# Altium PCB 10515.0462_全联供主板(2拼版)_V1.0.PcbDoc (part 10 of 18) (continued)
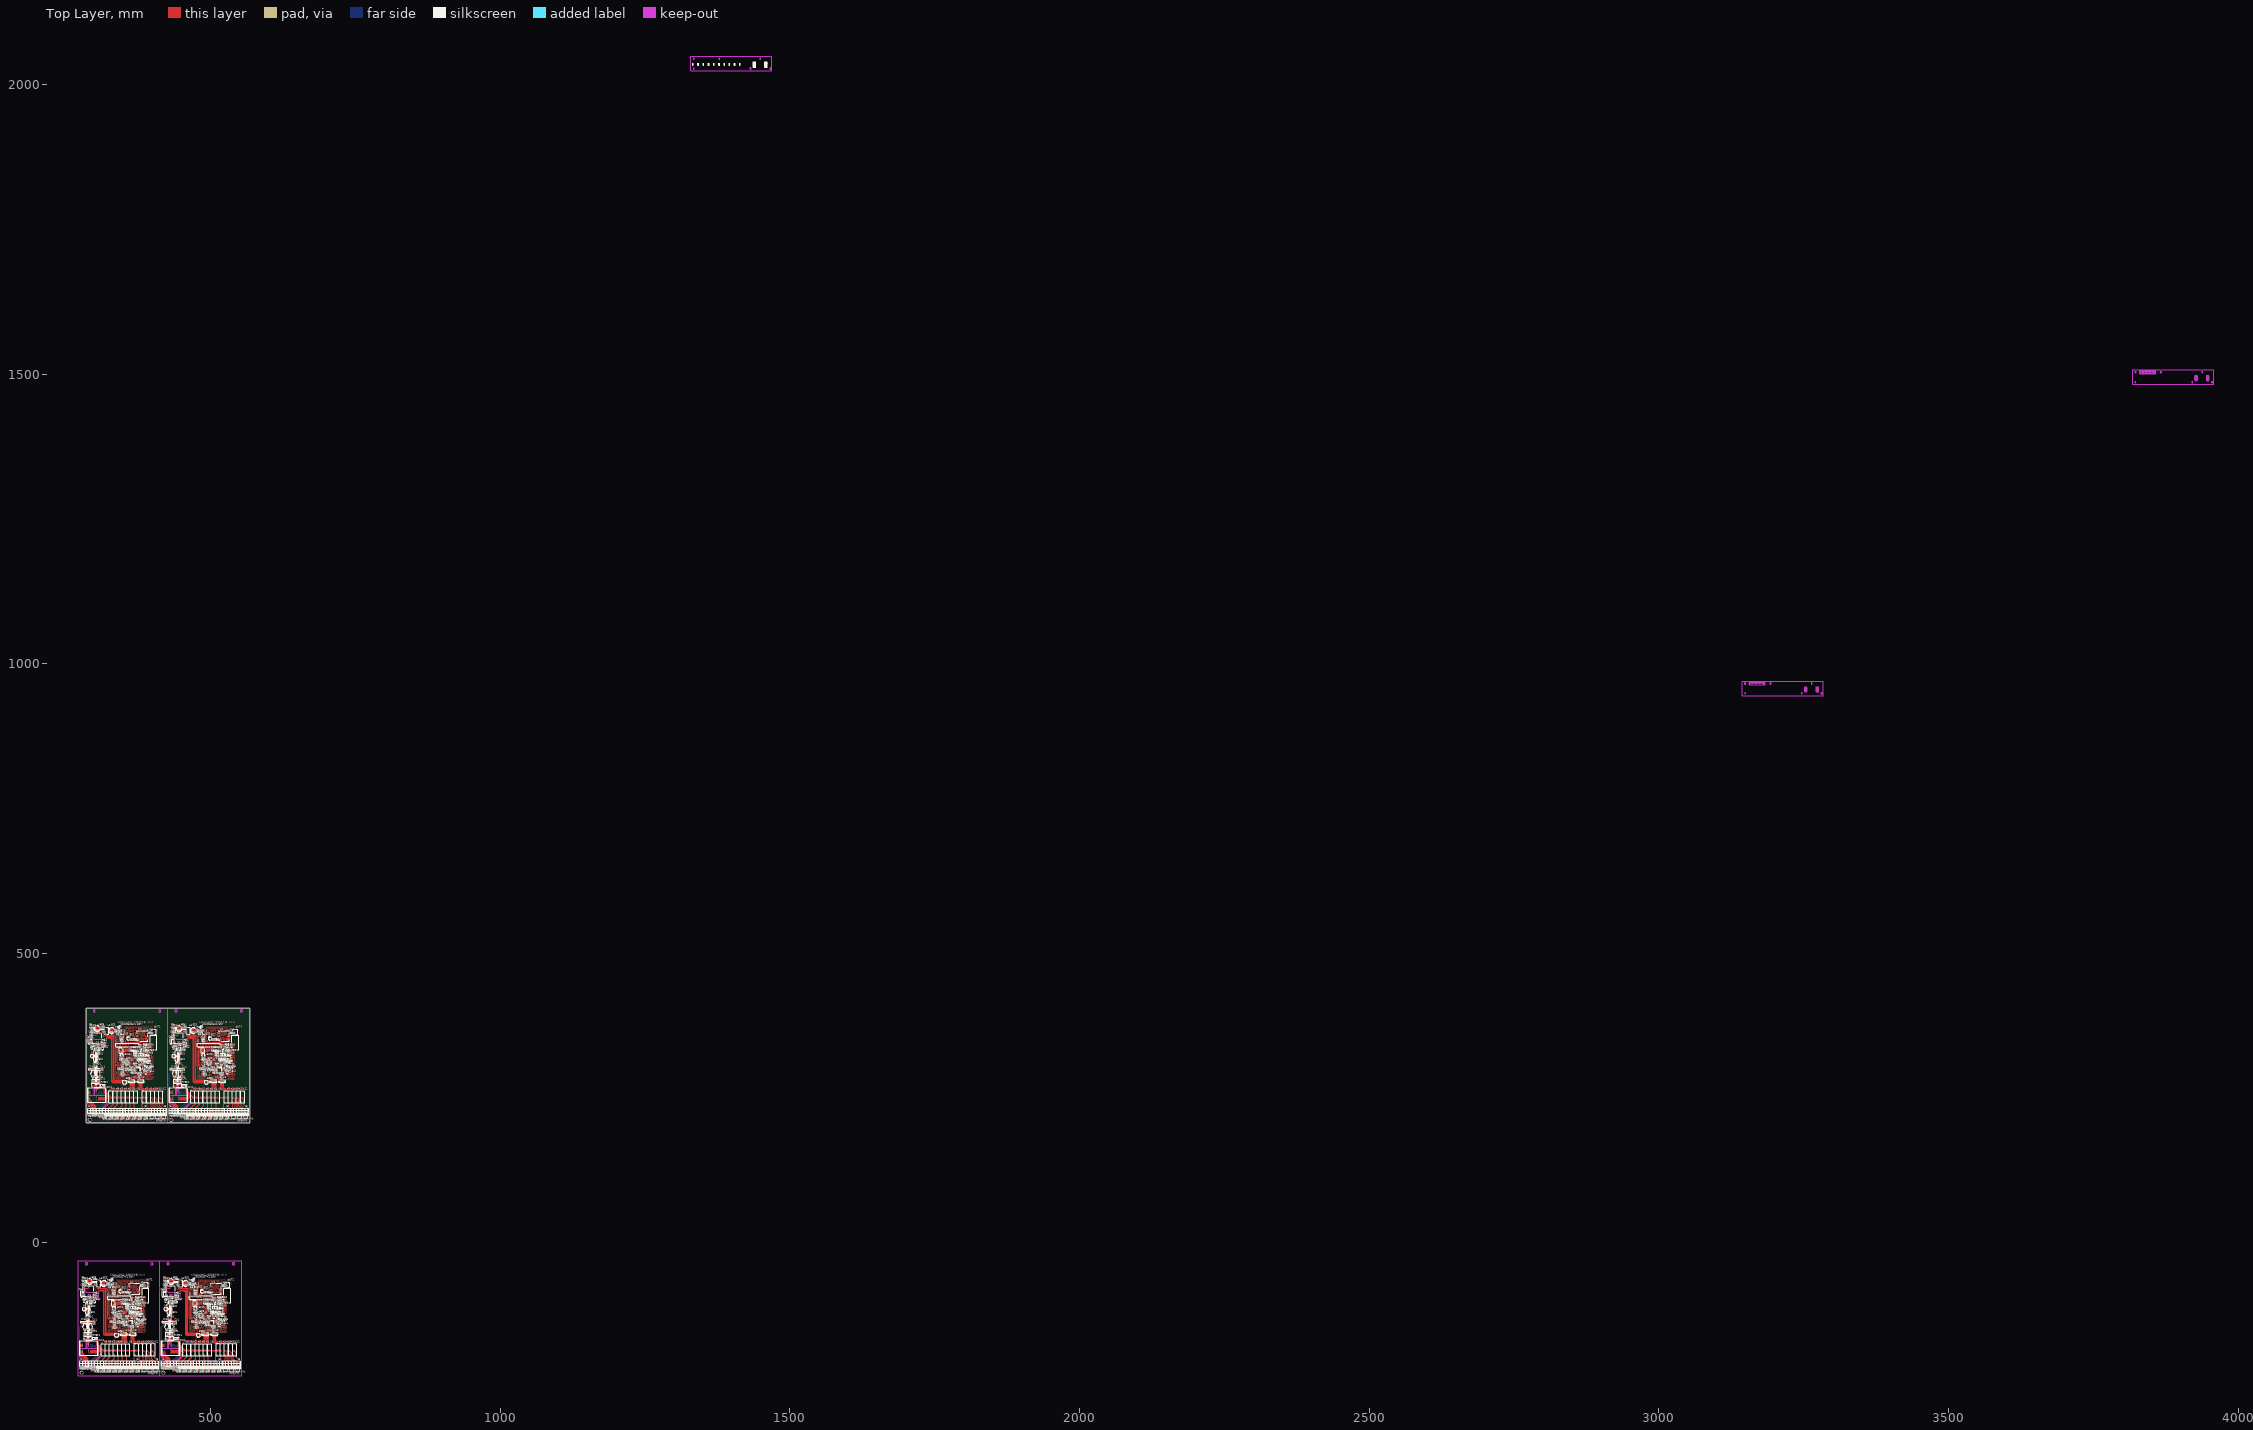
[diagram p0: Top Layer view]
## Nets (pads, with @x,y where several pads share a name; then routed paths per layer and width w, separated by ;. In a path a pad name is that pad's centre, name@x,y a point inside that pad or via, vN(x,y) a via of type N, cw(c..) or ccw(c..) an arc to the next point about the centre after c; other vN are vias at no path point) (continued)
cw(c472.426,367.481) v1@473.1,367.481 ; 473.076,-107.131 473.076,-100.481 473.076,-95.921 ; 473.076,-105.108 ccw(c475.399,-105.108) 473.756,-106.75 ; 473.076,-104.792 473.847,-105.563 473.847,-111.278 473.226,-111.899 ; v1@473.143,367.464 cw(c474.105,366.501) 474.105,367.862 ; v1@473.143,367.499 ccw(c473.581,367.937) 473.581,367.318 ; v1@473.145,367.467 cw(c473.76,367.041) v1(473.76,367.789) 473.072,367.789 470.712,370.148 ; 473.146,367.862 cw(c473.146,365.942) v1@474.504,367.3 ; 473.201,-95.795 473.201,-93.255 472.704,-93.752 ; 473.218,-123.451 cw(c472.313,-124.356) 473.593,-124.356 ; 473.226,-107.281 473.226,-111.899 ; 473.228,-123.459 cw(c472.713,-124.173) 473.593,-124.173 ; 473.238,-86.939 473.238,-88.849 473.238,-90.806 472.577,-91.466 471.18,-91.466 470.661,-91.985 470.661,-93.255 470.661,-95.795 ; 473.344,-123.437 ccw(c473.663,-123.64) 473.396,-123.908 ; 473.37,-107.811 cw(c472.22,-108.962) 473.847,-108.962 ; 473.37,-106.75 ccw(c472.22,-105.6) 473.847,-105.6 ; 473.429,-130.582 cw(c473.429,-131.948) 474.395,-130.982 ; 473.487,-95.465 cw(c474.969,-93.752) 472.704,-93.752 ; 473.593,-125.629 473.593,-125.248 ; v1@473.783,367.799 ccw(c474.522,368.126) v1(474.522,367.318) ; 473.847,-109.221 cw(c475.841,-109.221) 474.431,-107.811 ; 473.847,-105.563 ccw(c475.334,-105.563) 474.381,-106.705 ; 474.304,367.862 cw(c474.304,366.501) v1@475.266,367.464 ; 474.355,-125.985 473.619,-125.248 473.593,-125.248 ; 474.371,-130.926 ccw(c474.021,-130.932) 474.021,-130.582 ; 474.491,-131.051 474.021,-130.582 ; v1@474.544,367.305 cw(c475.501,366.761) 475.501,367.862 ; v1@474.828,367.318 ccw(c474.828,367.937) v1@475.266,367.499 ; 474.869,-119.387 cw(c473.657,-120.599) 475.371,-120.599 ; 474.869,-88.791 ccw(c473.681,-87.604) 475.361,-87.604 ; 474.889,-91.11 475.741,-91.963 475.741,-93.255 ; 474.889,-88.744 cw(c477.166,-88.744) 475.556,-87.133 ccw(c476.025,-87.603) 475.361,-87.603 ; 474.909,-119.408 cw(c474.78,-119.985) 475.371,-119.985 ; 474.914,365.068 ccw(c474.914,367.177) 476.405,365.686 ; 475.008,-123.389 cw(c476.251,-123.334) 475.371,-122.454 ; 475.008,-119.329 cw(c476.092,-119.329) 475.325,-118.563 ; 475.167,-87.133 cw(c474.697,-87.603) 475.361,-87.603 ; 475.217,-101.165 cw(c473.311,-103.07) 476.006,-103.07 ; 475.217,-99.796 ccw(c473.311,-97.891) 476.006,-97.891 ; 475.244,-99.97 475.244,-95.022 ; 475.244,-99.094 ccw(c476.237,-99.094) 475.535,-99.796 ; 475.244,-98.05 cw(c477.996,-98.05) 476.05,-96.104 ; 475.244,-96.481 cw(c476.426,-96.481) 475.59,-95.645 ; 475.244,-95.11 ccw(c476.426,-95.11) 475.59,-95.946 ; 475.244,-95.09 cw(c477.077,-95.09) 475.998,-93.609 ; 475.244,-93.541 ccw(c477.996,-93.541) 476.05,-95.486 ; v1@475.302,367.499 ccw(c475.74,367.937) 475.74,367.318 ; 475.376,-101.231 cw(c475.376,-103.024) 476.644,-101.756 ; 475.376,-97.732 cw(c477.678,-97.732) 476.05,-96.104 ; 475.376,-96.161 475.376,-100.481 475.376,-103.663 476.006,-104.293 ; 475.422,-123.926 ccw(c476.068,-123.279) 476.633,-123.999 ; 475.432,-96.104 cw(c474.046,-97.49) 476.006,-97.49 ; 475.432,-95.486 ccw(c474.686,-94.74) 475.741,-94.74 ccw(c476.796,-94.74) 476.05,-95.486 ; 475.432,-93.564 cw(c474.686,-94.31) 475.741,-94.31 cw(c476.796,-94.31) 476.05,-93.564 cw(c476.796,-94.31) 476.796,-93.255 cw(c476.796,-92.2) 476.05,-92.946 ; 475.432,-92.946 ccw(c474.686,-92.2) 475.741,-92.2 ccw(c476.796,-92.2) 476.05,-92.946 ; 475.46,-101.214 cw(c475.74,-101.902) 476.265,-101.377 ; 475.538,364.179 475.284,364.433 ; 475.538,364.728 476.463,365.653 ; 475.562,-93.371 ccw(c476.961,-92.468) 476.961,-94.133 ; 475.57,-95.668 cw(c476.858,-96.629) 476.858,-95.022 ; 475.576,-113.613 cw(c477.474,-115.512) 477.474,-112.827 ; 475.586,-95.942 ccw(c476.4,-95.171) 476.4,-96.292 ; 475.676,-100.705 cw(c474.88,-101.501) 476.006,-101.501 ; 475.676,-100.256 ccw(c474.88,-99.46) 476.006,-99.46 ; 475.729,367.635 ccw(c476.264,368.17) 476.443,367.435 ; 475.767,-114.184 cw(c477.474,-115.891) 477.474,-113.477 ; 475.785,365.787 ccw(c476.108,366.11) 476.409,365.766 ; 475.829,-124.334 474.889,-123.393 ; 475.832,-92.828 cw(c475.988,-92.101) 475.244,-92.101 ; 475.844,-113.345 cw(c476.455,-113.957) 477.028,-113.308 ; 475.879,-92.736 477.403,-92.736 ; 475.919,365.653 475.488,366.084 471.093,366.084 470.284,365.275 470.284,364.052 ; 475.94,-124.445 ccw(c476.524,-123.861) 477.034,-124.511 ; 476.006,-104.471 cw(c476.868,-104.471) v1@476.524,-103.681 ; 476.006,-102.371 ccw(c477.801,-102.371) v1@476.532,-103.64 ; 476.006,-101.118 476.514,-101.626 476.514,-111.024 477.474,-111.984 477.474,-112.802 ; 476.006,-96.927 476.641,-96.292 477.911,-96.292 ; 476.006,-96.061 476.006,-104.293 ; 476.046,367.318 475.501,367.862 ; 476.058,-95.495 ccw(c477.911,-93.74) 477.911,-96.292 ; 476.091,-96.057 cw(c478.154,-97.595) 478.154,-95.022 475.244,-95.022 ; 476.108,-93.018 ccw(c478.154,-91.698) 478.154,-94.133 475.741,-94.133 ; 476.119,-93.475 cw(c477.403,-94.221) 477.403,-92.736 ; 476.142,-131.051 476.142,-130.082 475.371,-129.312 466.989,-129.312 466.227,-129.312 465.581,-128.666 465.581,-95.795 ; 476.333,-112.856 cw(c476.914,-113.437) 477.458,-112.821 ; 476.382,363.925 476.382,364.565 475.878,365.068 ; 476.463,365.667 476.463,365.653 ; 476.463,367.318 v1(474.522,367.318) ; 476.476,365.653 476.463,365.653 ; 476.552,-113.399 ccw(c475.954,-112.802) 476.799,-112.802 ccw(c475.17,-112.802) 476.322,-111.65 ccw(c477.474,-110.497) 477.474,-112.127 ; 476.595,-124.634 ccw(c475.869,-125.36) 475.869,-124.334 ccw(c475.869,-123.308) 476.595,-124.033 ; 476.869,-113.101 ccw(c476.387,-113.34) 476.387,-112.802 ; 476.869,-112.503 cw(c476.387,-112.264) 476.387,-112.802 ; 477.027,-111.537 cw(c475.973,-112.591) 477.449,-112.799 ; 477.112,362.605 476.871,362.846 ; 477.149,-112.802 475.371,-114.58 475.371,-118.517 474.889,-119 474.889,-119.329 475.371,-119.812 475.371,-122.454 474.889,-122.937 474.889,-123.393 ; 477.153,363.154 475.665,364.642 475.665,365.068 ; 477.196,-124.634 cw(c477.921,-125.36) 477.921,-124.334 cw(c477.921,-123.308) 477.196,-124.033 ; 477.292,-96.292 ccw(c477.292,-95.069) 478.157,-95.934 ; 477.403,-93.128 477.403,-92.736 ; 477.544,-95.403 cw(c477.544,-96.27) 478.157,-95.657 ; 477.599,-93.625 ccw(c477.599,-92.835) 478.157,-93.394 ; 477.688,-93.625 cw(c477.688,-91.308) 476.05,-92.946 ; 477.743,-95.403 ccw(c477.743,-97.797) 476.05,-96.104 ; 477.784,-93.128 477.784,-88.164 ; 477.784,-91.371 ccw(c479.903,-91.371) 478.405,-92.87 ; 478.281,-95.403 476.133,-95.403 475.741,-95.795 ; 478.281,-94.641 475.741,-94.641 ; 478.281,-93.625 476.111,-93.625 475.741,-93.255 ; 478.281,-89.445 483.654,-84.072 483.654,-83.183 ; 478.281,-88.556 478.281,-93.255 ; 478.399,-87.402 483.236,-82.565 ; 478.901,340.491 cw(c478.155,339.745) 479.21,339.745 cw(c480.265,339.745) 479.519,340.491 cw(c480.265,339.745) 480.265,340.8 cw(c480.265,341.855) 479.519,341.109 cw(c480.265,341.855) 479.21,341.855 cw(c478.155,341.855) 478.901,341.109 ; 478.901,343.031 cw(c478.155,342.285) 479.21,342.285 cw(c480.265,342.285) 479.519,343.031 cw(c480.292,342.257) 480.292,343.351 ; 478.977,-126.104 cw(c478.977,-127.437) 479.92,-126.494 ; 478.978,-124.214 ccw(c478.992,-123.408) 479.562,-123.978 ; 478.998,341.182 ccw(c478.428,342.208) 479.602,342.208 ; 479.009,-126.098 cw(c479.237,-126.628) 479.645,-126.22 ; 479.029,340.913 cw(c480.45,340.025) 480.45,341.7 ; 479.035,-124.353 cw(c479.94,-125.259) 479.94,-123.978 ; 479.053,-124.325 cw(c479.562,-124.525) 479.562,-123.978 ; 479.056,342.931 cw(c478.759,342.143) 479.602,342.143 ; 479.058,343.19 ccw(c480.193,344.312) 480.193,342.716 ; 479.097,340.619 ccw(c479.555,341.353) 480.167,340.741 ; 479.221,343.351 481.738,343.351 481.75,343.34 ; 479.441,341.171 ccw(c480,342.065) 480.745,341.319 ; 479.519,343.649 ccw(c480.237,344.368) 480.237,343.351 ; 479.521,343.647 ccw(c481.75,345.851) 481.75,342.716 ; 479.58,340.568 cw(c481.623,339.292) 481.623,341.7 ; 479.602,340.176 480.745,341.319 ; 479.602,340.408 479.602,341.7 ; 479.602,340.607 cw(c480.745,340.046) 480.745,341.319 ; 480.636,-127.211 ccw(c481.396,-126.45) 482.028,-127.321 ; 480.646,341.7 cw(c480.646,340.257) 481.941,340.894 ; 480.667,343.351 cw(c480.667,342.257) 481.441,343.031 cw(c480.695,342.285) 481.75,342.285 cw(c482.805,342.285) 482.059,343.031 ; 480.722,343.351 ccw(c480.722,344.368) 481.441,343.649 ; 481.008,342.716 ccw(c481.008,343.805) 481.93,343.227 ; 481.144,-127.211 ccw(c481.655,-126.699) 482.053,-127.304 ; 481.175,-127.749 ccw(c481.849,-127.075) 482.409,-127.847 ; 481.257,-123.426 cw(c482.424,-124.592) 482.424,-122.943 ; 481.278,-123.406 ccw(c480.14,-122.268) 481.749,-122.268 ; 481.313,340.778 ccw(c480.745,340.75) 480.745,341.319 ; 481.358,340.607 ccw(c479.602,339.744) 479.602,341.7 ; 481.379,343.572 cw(c479.833,344.541) 479.833,342.716 481.75,342.716 481.75,343.34 ; 481.441,340.491 ccw(c480.695,339.745) 480.695,340.8 ccw(c480.695,341.855) 481.441,341.109 ccw(c480.695,341.855) 481.75,341.855 ccw(c482.805,341.855) 482.059,341.109 ; 481.531,-126.454 479.88,-126.454 ; 481.623,341.7 479.602,341.7 ; 481.75,341.319 480.745,341.319 ; 481.75,342.208 479.602,342.208 ; 481.801,-127.608 cw(c481.34,-127.416) 481.34,-127.915 ; 481.838,-128.204 ccw(c481.34,-128.49) 481.34,-127.915 ; 481.839,-123.603 ccw(c481.349,-123.113) 481.893,-122.685 ; 481.848,-127.915 480.832,-126.899 480.832,-126.645 ; v1@481.902,-88.11 cw(c483.245,-89.454) v1@483.245,-87.554 ; 481.951,-126.645 480.832,-126.645 ; 481.956,-126.118 cw(c480.711,-127.363) 482.4,-127.861 ; 482.416,-122.268 480.705,-123.978 480.578,-123.978 ; v1@482.42,-87.466 ccw(c482.849,-87.036) v1@483.229,-87.51 ; 482.474,-81.442 cw(c485.023,-83.99) 485.023,-80.386 ccw(c485.023,-82.016) 483.871,-80.863 ccw(c482.719,-79.711) 484.348,-79.711 ; v1@482.499,-88.31 cw(c482.879,-88.784) v1@483.309,-88.354 ; v1@482.501,-88.309 cw(c483.31,-89.118) v1@483.31,-87.973 ; v1@482.501,-87.511 cw(c484.492,-89.502) 485.018,-86.736 ; v1@482.507,-88.297 cw(c482.928,-88.408) 482.928,-87.973 ; v1@482.508,-88.291 cw(c484.408,-88.291) v1@483.065,-86.948 ; v1@482.511,-87.536 cw(c483.448,-88.473) 483.448,-87.148 ; v1@482.511,-87.501 ccw(c483.653,-86.36) 483.653,-87.973 ; 482.61,-127.915 481.34,-127.915 ; 482.628,-84.209 483.654,-83.183 ; 482.73,-126.892 cw(c481.906,-127.715) 483.023,-128.044 ; 482.846,-123.107 481.975,-123.978 480.959,-123.978 ; 482.846,-122.858 cw(c482.538,-123.414) 483.174,-123.414 ; 483.118,-83.719 483.118,-81.616 483.654,-81.08 ; 483.174,-127.868 483.174,-127.605 ; v1@483.263,-88.309 cw(c484.072,-89.118) 484.072,-87.973 ; v1@483.263,-87.547 cw(c484.225,-88.509) 484.225,-87.148 cw(c484.225,-85.787) v1@483.263,-86.749 ; v1@483.263,-87.511 ccw(c484.379,-86.396) 484.379,-87.973 ; v1@483.27,-87.528 cw(c484.926,-87.432) 483.753,-86.259 ; v1@483.37,-86.642 cw(c484.77,-88.042) 485.14,-86.097 ; 483.501,-122.858 ccw(c483.81,-123.414) 483.174,-123.414 ; 483.584,-80.332 cw(c485.023,-81.771) 485.023,-79.736 ; 483.603,-87.518 ccw(c483.603,-85.916) 485.001,-86.699 ; 483.631,-87.973 ccw(c483.631,-86.602) 484.998,-86.709 ; 483.924,-127.193 ccw(c483.924,-125.861) 484.866,-126.803 ; 483.946,-127.857 cw(c484.909,-127.386) 484.151,-126.628 ; 483.947,-122.276 ccw(c484.802,-122.602) 484.155,-123.249 ; 483.981,341.109 ccw(c483.235,341.855) 484.29,341.855 ccw(c485.345,341.855) 484.599,341.109 ; 483.981,343.031 cw(c483.235,342.285) 484.29,342.285 cw(c485.345,342.285) 484.599,343.031 ; 483.981,343.649 ccw(c483.235,344.395) 484.29,344.395 ccw(c485.345,344.395) 484.599,343.649 ; 484.103,323.118 cw(c484.103,321.624) 485.16,322.681 ; 484.128,323.796 ccw(c485.241,323.895) 485.241,322.777 ; 484.158,323.121 cw(c484.23,322.254) 484.844,322.869 cw(c485.261,323.286) 484.721,323.523 ; 484.164,323.121 cw(c484.262,322.033) 485.035,322.806 cw(c485.722,323.493) 484.767,323.67 ; 484.216,-87.518 v1(482.494,-87.518) ; 484.29,336.23 484.29,340.8 ; 484.29,337.46 ccw(c485.225,337.46) 484.564,336.799 ; 484.334,-87.973 ccw(c484.334,-86.657) 485.646,-86.76 ; 484.35,-86.658 cw(c482.928,-86.547) 482.928,-87.973 ; 484.353,-86.791 ccw(c483.753,-86.863) 483.753,-86.259 ; 484.405,336.115 484.405,340.685 484.29,340.8 ; 484.405,339.468 ccw(c482.958,339.468) 483.981,340.491 cw(c483.235,339.745) 484.29,339.745 cw(c485.345,339.745) 484.599,340.491 ccw(c485.068,340.022) 484.405,340.022 ; 484.434,-86.381 cw(c482.494,-85.294) v1(482.494,-87.518) ; 484.474,-86.319 cw(c482.864,-85.171) 482.864,-87.148 ; 484.53,-127.571 cw(c485.773,-126.963) 484.794,-125.985 ; 484.546,-87.188 ccw(c483.394,-88.341) 483.394,-86.711 ccw(c483.394,-85.081) 484.546,-86.234 ; 484.555,-122.508 ccw(c485.83,-122.994) 484.865,-123.959 ; 484.571,-86.259 483.753,-86.259 ; 484.58,323.316 cw(c485.732,322.164) 485.732,323.793 cw(c485.732,325.423) 484.58,324.271 ; 484.586,-87.148 482.864,-87.148 ; 484.599,-127.863 cw(c486.481,-127.849) 485.15,-126.518 ; 484.642,-127.026 485.15,-126.518 485.785,-126.518 486.319,-125.985 486.978,-125.985 ; 484.673,-87.288 cw(c484.296,-87.91) 485.023,-87.91 ; 484.683,-123.257 ccw(c483.924,-124.016) 483.924,-122.943 cw(c483.924,-125.243) 485.55,-123.616 ; 484.709,-80.308 cw(c483.548,-82.513) v1@486.039,-82.513 ; 484.749,323.598 cw(c485.698,323.31) 485.698,324.301 ; 484.775,323.854 ccw(c485.952,323.959) 485.952,322.777 ; 484.778,323.793 ccw(c486.543,323.793) 485.295,322.546 ; 484.88,-122.946 cw(c485.558,-122.268) 484.599,-122.268 ccw(c486.784,-122.268) 485.239,-123.813 ; 485.005,-79.729 cw(c484.043,-80.691) 485.404,-80.691 ; 485.011,-79.733 cw(c484.115,-81.436) 486.039,-81.436 ; 485.048,-86.714 cw(c485.799,-86.82) 485.799,-86.061 ; 485.063,322.777 486.46,321.38 486.46,318.205 486.866,317.799 486.866,317.266 ; 485.086,-80.383 cw(c485.196,-81.57) 486.039,-80.727 ; 485.206,-87.402 486.547,-86.061 ; 485.373,-87.288 ccw(c485.75,-87.91) 485.023,-87.91 ; 485.404,-82.26 ccw(c482.474,-82.26) 484.546,-80.188 cw(c483.394,-81.341) 485.023,-81.341 cw(c486.653,-81.341) 485.5,-80.188 ; 485.404,-80.092 485.404,-83.211 485.912,-83.719 488.6,-83.719 489.291,-84.41 489.291,-83.796 488.833,-83.338 486.293,-83.338 486.039,-83.084 v1@486.039,-82.322 ; 485.412,-86.159 ccw(c485.921,-85.436) 486.547,-86.061 ; 485.468,-84.163 489.044,-84.163 ; 485.561,-123.627 ccw(c486.978,-122.211) 486.978,-124.214 ; 485.648,-126.655 cw(c486.978,-127.985) 486.978,-126.104 ; 485.649,329.845 ccw(c483.999,331.496) 486.333,331.496 ; 485.658,-124.334 485.658,-124.232 483.694,-122.268 483.174,-122.268 ; 485.673,-86.061 486.547,-86.061 ; 485.692,-86.805 cw(c486.547,-86.925) 486.547,-86.061 ; 485.695,-79.774 ccw(c486.882,-79.884) 486.039,-80.727 ; 485.989,-126.314 cw(c486.686,-127.012) 486.956,-126.063 ; 486.159,314.984 cw(c484.453,313.277) 486.866,313.277 ; 486.159,315.585 ccw(c484.453,317.292) 486.866,317.292 ; 486.268,-124.334 484.202,-122.268 483.174,-122.268 ; 486.324,328.785 cw(c485.044,327.504) 486.855,327.504 cw(c488.665,327.504) 487.385,328.785 ; 486.324,329.845 ccw(c485.406,330.763) 486.705,330.763 ; 486.333,328.793 486.333,327.73 ; 486.333,330.756 ccw(c487.62,330.756) 486.71,329.845 ; 486.333,334.149 cw(c488.145,334.149) 486.864,335.431 ; 486.333,338.08 ccw(c488.145,338.08) 486.864,336.799 ; 486.333,338.545 cw(c489.084,338.545) 487.139,340.491 ccw(c488.187,339.443) 486.705,339.443 ; 486.333,340.115 cw(c487.515,340.115) 486.679,340.951 ; 486.333,341.085 cw(c489.084,341.085) 487.139,343.031 ccw(c487.885,342.285) 486.83,342.285 ccw(c485.775,342.285) 486.521,343.031 ; 486.333,341.421 ccw(c487.367,341.421) 486.69,340.639 ; 486.333,342.655 cw(c487.515,342.655) 486.679,343.491 ; 486.441,345.365 ccw(c485.691,346.115) 486.747,346.215 ; 486.509,349.462 cw(c485.648,348.601) 486.866,348.601 ; 486.521,340.491 cw(c486.077,340.047) 486.705,340.047 ; 486.521,341.109 ccw(c485.775,341.855) 486.83,341.855 ccw(c487.885,341.855) 487.139,341.109 ; 486.705,329.465 486.705,336.115 486.705,340.675 ; 486.705,331.488 ccw(c489.027,331.488) 487.385,329.845 ; 486.705,331.804 487.476,331.032 487.476,325.317 486.855,324.696 ; 486.83,340.8 486.83,343.34 486.333,342.843 ; 486.847,313.145 cw(c485.941,312.239) 487.222,312.239 ; 486.855,329.315 486.855,324.696 ; 486.857,313.136 cw(c486.342,312.423) 487.222,312.423 ; 486.866,349.656 486.866,347.746 486.866,345.79 486.206,345.129 484.809,345.129 484.29,344.61 484.29,343.34 484.29,340.8 ; 486.973,313.159 ccw(c487.292,312.955) 487.025,312.688 ; v1@486.978,-127.076 486.978,-125.985 ; v1@486.978,-126.727 ccw(c487.735,-126.727) v1@487.2,-127.262 ; 486.978,-124.453 cw(c486.978,-125.479) 487.704,-124.754 ; 486.999,328.785 cw(c485.849,327.634) 487.476,327.634 ; 486.999,329.845 ccw(c485.849,330.996) 487.476,330.996 ; 487.055,-83.338 v1@486.039,-82.322 ; 487.058,306.013 cw(c487.058,304.648) 488.024,305.614 ; 487.116,341.131 cw(c488.597,342.843) 486.333,342.843 ; 487.222,310.966 487.222,311.347 ; 487.465,-105.318 487.465,-101.941 ; 487.476,327.375 cw(c489.47,327.375) 488.06,328.785 ; 487.476,331.032 ccw(c488.963,331.032) 488.01,329.891 ; 487.984,310.611 487.247,311.347 487.222,311.347 ; 488,305.67 ccw(c487.65,305.664) 487.65,306.013 ; 488.119,305.544 487.65,306.013 ; 488.403,-86.386 ccw(c488.403,-85.211) 489.234,-86.042 ; v1(488.452,-128.11) 488.452,-124.74 488.046,-124.334 486.978,-124.334 ; 488.452,-125.502 487.284,-124.334 486.978,-124.334 ; 488.498,317.209 cw(c487.286,315.997) 489,315.997 ; 488.498,347.804 ccw(c487.31,348.992) 488.99,348.992 ; 488.517,345.485 489.37,344.633 489.37,343.34 ; 488.517,347.852 cw(c490.795,347.852) 489.184,349.462 ccw(c489.654,348.993) 488.99,348.993 ; 488.538,317.187 cw(c488.409,316.61) 489,316.61 ; 488.591,-84.163 cw(c488.591,-85.073) 489.234,-84.43 ; 488.637,313.206 cw(c489.88,313.262) 489,314.141 ; 488.637,317.266 cw(c489.721,317.266) 488.954,318.033 ; 488.745,-83.25 cw(c487.622,-84.372) 489.21,-84.372 ; 488.795,349.462 cw(c488.326,348.993) 488.99,348.993 ; 488.833,-86.061 489.291,-86.061 ; 488.845,335.431 cw(c486.94,333.525) 489.635,333.525 ; 488.845,336.799 ccw(c486.94,338.705) 489.635,338.705 ; 488.873,336.625 488.873,341.573 ; 488.873,337.501 ccw(c489.866,337.501) 489.164,336.799 ; 488.873,338.545 cw(c491.624,338.545) 489.679,340.491 ; 488.873,340.115 cw(c490.055,340.115) 489.219,340.951 ; 488.873,341.485 ccw(c490.055,341.485) 489.219,340.649 ; 488.873,341.505 cw(c490.706,341.505) 489.627,342.987 ; 488.873,343.055 ccw(c491.624,343.055) 489.679,341.109 ; 488.873,344.494 ccw(c489.616,344.494) 489.461,343.767 ; 489.005,335.365 cw(c489.005,333.571) 490.273,334.84 ; 489.005,338.863 cw(c491.307,338.863) 489.679,340.491 ; 489.005,340.435 489.005,336.115 489.005,332.933 489.635,332.302 ; 489.05,312.669 ccw(c489.697,313.316) 490.262,312.596 ; 489.061,340.491 cw(c487.675,339.105) 489.635,339.105 ; 489.061,341.109 ccw(c488.315,341.855) 489.37,341.855 ccw(c490.425,341.855) 489.679,341.109 ; 489.061,343.031 cw(c488.315,342.285) 489.37,342.285 cw(c490.425,342.285) 489.679,343.031 cw(c490.425,342.285) 490.425,343.34 cw(c490.425,344.395) 489.679,343.649 ; 489.061,343.649 ccw(c488.315,344.395) 489.37,344.395 ccw(c490.425,344.395) 489.679,343.649 ; 489.089,335.381 cw(c489.369,334.693) 489.894,335.219 ; 489.116,-101.941 v1(489.96,-101.941) ; 489.191,343.225 ccw(c490.59,344.127) 490.59,342.462 ; 489.199,340.927 cw(c490.487,339.967) 490.487,341.573 ; 489.205,322.982 cw(c491.103,321.084) 491.103,323.768 ; 489.212,-86.082 cw(c488.833,-85.998) 488.833,-86.386 486.801,-86.386 ; 489.215,340.654 ccw(c490.029,341.424) 490.029,340.303 ; 489.305,335.89 cw(c488.509,335.094) 489.635,335.094 ; 489.305,336.339 ccw(c488.509,337.136) 489.635,337.136 ; 489.396,322.411 cw(c491.103,320.704) 491.103,323.118 ; 489.458,312.262 488.517,313.202 ; 489.472,323.25 cw(c490.084,322.638) 490.656,323.287 ; 489.508,343.859 491.032,343.859 ; 489.569,312.151 ccw(c490.153,312.735) 490.663,312.085 ; 489.635,332.124 cw(c490.497,332.124) v1@490.153,332.915 ; 489.635,334.224 ccw(c491.43,334.224) v1@490.161,332.955 ; 489.635,335.477 490.143,334.969 490.143,325.571 491.103,324.611 491.103,323.793 ; 489.635,339.668 490.27,340.303 491.54,340.303 ; 489.635,340.535 489.635,332.302 ; 489.687,341.101 ccw(c491.54,342.855) 491.54,340.303 ; 489.72,340.539 cw(c491.783,339) 491.783,341.573 ; 489.737,343.577 ccw(c491.783,344.897) 491.783,342.462 ; 489.748,343.12 cw(c491.032,342.374) 491.032,343.859 ; 489.77,305.544 489.77,306.513 489,307.283 480.618,307.283 479.856,307.283 479.21,307.93 479.21,340.8 ; 489.962,323.739 cw(c490.543,323.158) 491.086,323.775 ; 490.18,323.196 ccw(c489.583,323.793) 490.428,323.793 ccw(c488.798,323.793) 489.951,324.946 ccw(c491.103,326.098) 491.103,324.468 ; 490.223,311.961 ccw(c489.498,311.236) 489.498,312.262 ccw(c489.498,313.288) 490.223,312.562 ; 490.498,323.494 ccw(c490.016,323.256) 490.016,323.793 ; 490.498,324.093 cw(c490.016,324.331) 490.016,323.793 ; 490.656,325.058 cw(c489.602,324.004) 491.078,323.797 ; 490.661,-84.456 491.144,-83.973 494.981,-83.973 495.387,-84.379 ; 490.719,-84.475 cw(c491.931,-85.687) 491.931,-83.973 ; 490.778,323.793 489,322.015 489,318.078 488.517,317.596 488.517,317.266 489,316.784 489,314.141 488.517,313.659 488.517,313.202 ; 490.824,311.961 cw(c491.55,311.236) 491.55,312.262 cw(c491.55,313.288) 490.824,312.562 ; 490.921,340.303 ccw(c490.921,341.527) 491.786,340.662 ; 490.981,-105.275 490.981,-101.941 ; 491.032,343.467 491.032,343.859 ; 491.173,341.192 cw(c491.173,340.325) 491.786,340.938 ; 491.228,342.97 ccw(c491.228,343.76) 491.786,343.202 ; 491.317,342.97 cw(c491.317,345.287) 489.679,343.649 ; 491.371,341.192 ccw(c491.371,338.798) 489.679,340.491 ; 491.413,343.467 491.413,348.431 ; 491.413,345.224 ccw(c493.532,345.224) 492.034,343.726 ; 491.783,341.573 488.873,341.573 ; 491.783,342.462 489.37,342.462 ; 491.909,341.192 489.762,341.192 489.37,340.8 ; 491.91,341.954 489.37,341.954 ; 491.91,342.97 489.739,342.97 489.37,343.34 ; 491.91,347.15 497.283,352.523 497.283,353.412 ; 491.91,348.039 491.91,343.34 ; 492.028,349.193 496.865,354.031 ; 492.079,-86.061 487.69,-86.061 ; 492.161,-85.98 489.373,-85.98 489.291,-86.061 ; 492.606,310.491 cw(c492.606,309.159) 493.548,310.101 ; 492.607,312.381 ccw(c492.621,313.188) 493.191,312.617 ; 492.638,310.498 cw(c492.865,309.967) 493.274,310.376 ; 492.663,312.242 cw(c493.569,311.337) 493.569,312.617 ; 492.682,312.27 cw(c493.191,312.071) 493.191,312.617 ; 494.265,309.385 ccw(c495.025,310.146) 495.657,309.274 ; 494.301,-83.973 cw(c494.301,-85.427) 495.33,-84.399 ; 494.45,-105.318 494.45,-101.941 ; 494.773,309.385 ccw(c495.284,309.897) 495.682,309.292 ; 494.803,308.846 ccw(c495.478,309.521) 496.038,308.748 ; 494.886,313.17 cw(c496.053,312.003) 496.053,313.653 ; 494.906,313.19 ccw(c493.768,314.328) 495.378,314.328 ; 495.159,310.141 493.508,310.141 ; 495.43,308.988 cw(c494.969,309.18) 494.969,308.68 ; 495.445,-84.399 cw(c496.094,-85.048) 496.094,-84.13 ; 495.467,308.392 ccw(c494.969,308.106) 494.969,308.68 ; 495.467,312.993 ccw(c494.977,313.482) 495.522,313.911 ; 495.477,308.68 494.461,309.696 494.461,309.95 ; v1@495.53,348.485 cw(c496.874,347.142) v1@496.874,349.041 ; 495.58,309.95 494.461,309.95 ; 495.585,310.478 cw(c494.339,309.232) 496.029,308.735 ; 495.637,-84.13 498.866,-84.13 ; 496.044,314.328 494.334,312.617 494.207,312.617 ; v1@496.048,349.13 ccw(c496.478,349.559) v1@496.858,349.086 ; 496.077,-84.13 cw(c496.077,-85.048) 496.727,-84.399 ; 496.103,355.154 cw(c498.652,352.605) 498.652,356.209 ccw(c498.652,354.58) 497.5,355.732 ccw(c496.347,356.884) 497.977,356.884 ; v1@496.128,348.285 cw(c496.508,347.812) v1@496.937,348.241 ; v1@496.13,348.287 cw(c496.939,347.478) v1@496.939,348.622 ; v1@496.13,349.085 cw(c498.121,347.094) 498.647,349.86 ; v1@496.136,348.298 cw(c496.556,348.187) 496.556,348.622 ; v1@496.137,348.304 cw(c498.037,348.304) v1@496.693,349.648 ; v1@496.14,349.059 cw(c497.077,348.122) 497.077,349.447 ; v1@496.14,349.095 ccw(c497.281,350.236) 497.281,348.622 ; 496.239,308.68 494.969,308.68 ; 496.257,352.386 497.283,353.412 ; 496.359,309.704 cw(c495.535,308.88) 496.652,308.551 ; 496.475,313.489 495.604,312.617 494.588,312.617 ; 496.475,313.738 cw(c496.166,313.181) 496.803,313.181 ; 496.551,-116.162 496.551,-112.743 496.551,-111.219 ; 496.747,352.876 496.747,354.979 497.283,355.515 ; 496.803,308.728 496.803,308.99 ; 496.842,-84.399 cw(c497.491,-85.048) 497.491,-84.13 ; v1@496.892,348.287 cw(c497.701,347.478) 497.701,348.622 ; v1@496.892,349.049 cw(c497.854,348.086) 497.854,349.447 cw(c497.854,350.809) v1@496.892,349.846 ; v1@496.892,349.084 ccw(c498.007,350.2) 498.007,348.622 ; v1@496.899,349.068 cw(c498.555,349.164) 497.382,350.336 ; v1@496.999,349.953 cw(c498.399,348.554) 498.769,350.498 ; 497.13,313.738 ccw(c497.439,313.181) 496.803,313.181 ; 497.213,356.263 cw(c498.652,354.824) 498.652,356.859 ; 497.232,349.077 ccw(c497.232,350.68) 498.63,349.897 ; 497.259,348.622 ccw(c497.259,349.994) 498.627,349.886 ; 497.474,-84.13 cw(c497.474,-85.048) 498.124,-84.399 ; 497.553,309.403 ccw(c497.553,310.735) 498.494,309.793 ; 497.575,308.739 cw(c498.537,309.21) 497.78,309.967 ; 497.576,314.319 ccw(c498.431,313.993) 497.784,313.347 ; 497.844,349.077 v1(496.122,349.077) ; 497.962,348.622 ccw(c497.962,349.939) 499.275,349.836 ; 497.979,349.937 cw(c496.556,350.049) 496.556,348.622 ; 497.982,349.804 ccw(c497.382,349.732) 497.382,350.336 ; 498.063,350.214 cw(c496.123,351.301) v1(496.122,349.077) ; 498.102,350.276 cw(c496.493,351.424) 496.493,349.447 ; 498.154,-114.487 499.893,-114.487 ; 498.159,309.025 cw(c499.401,309.633) 498.423,310.611 ; 498.175,349.407 ccw(c497.022,348.255) 497.022,349.884 ccw(c497.022,351.514) 498.175,350.362 ; 498.183,314.088 ccw(c499.458,313.602) 498.494,312.637 ; 498.2,350.336 497.382,350.336 ; 498.202,-114.439 498.202,-112.743 ; 498.202,-111.219 498.202,-109.765 ; 498.215,349.447 496.493,349.447 ; 498.228,308.733 cw(c500.11,308.747) 498.779,310.077 ; 498.239,-84.399 cw(c498.888,-85.048) 498.888,-84.13 ; 498.271,309.569 498.779,310.077 499.414,310.077 499.947,310.611 500.607,310.611 ; 498.302,349.307 cw(c497.925,348.686) 498.652,348.686 ; 498.312,313.338 ccw(c497.553,312.579) 497.553,313.653 cw(c497.553,311.353) 499.179,312.979 ; 498.337,356.287 cw(c497.177,354.083) v1@499.668,354.083 ; 498.509,313.65 cw(c499.187,314.328) 498.228,314.328 ccw(c500.413,314.328) 498.868,312.783 ; 498.634,356.867 cw(c497.672,355.904) 499.033,355.904 ; 498.64,356.862 cw(c497.744,355.16) 499.668,355.16 ; 498.677,349.881 cw(c499.428,349.775) 499.428,350.534 ; 498.715,356.212 cw(c498.825,355.026) 499.668,355.869 ; 498.835,349.193 500.176,350.534 ; 499.002,349.307 ccw(c499.379,348.686) 498.652,348.686 ; 499.033,354.335 ccw(c496.102,354.335) 498.175,356.407 cw(c497.022,355.255) 498.652,355.255 cw(c500.281,355.255) 499.129,356.407 ; 499.033,356.503 499.033,353.384 499.541,352.876 502.229,352.876 502.92,352.185 502.92,352.799 502.462,353.257 499.922,353.257 499.668,353.511 v1@499.668,354.273 ; 499.041,350.436 ccw(c499.55,351.16) 500.176,350.534 ; 499.096,352.432 502.673,352.432 ; 499.19,312.968 ccw(c500.607,314.385) 500.607,312.381 ; 499.277,309.94 cw(c500.607,308.61) 500.607,310.491 ; 499.287,312.262 499.287,312.363 497.322,314.328 496.803,314.328 ; 499.302,350.534 500.176,350.534 ; 499.303,-114.487 cw(c499.303,-115.222) 499.824,-114.702 ; 499.32,349.791 cw(c500.176,349.67) 500.176,350.534 ; 499.324,356.822 ccw(c500.51,356.711) 499.668,355.869 ; 499.618,310.281 cw(c500.315,309.583) 500.585,310.533 ; 499.744,-104.438 cw(c498.781,-105.401) 500.143,-105.401 cw(c501.505,-105.401) 500.542,-104.438 ; 499.824,-114.354 ccw(c499.082,-113.612) 500.131,-113.612 ; 499.85,-107.907 cw(c499.23,-108.526) 500.107,-108.526 ; 499.896,312.262 497.83,314.328 496.803,314.328 ; 500.107,-119.095 cw(c502.115,-119.095) 501.104,-117.359 ; 500.107,-118.909 500.107,-117.933 500.948,-117.091 ; 500.107,-118.281 cw(c500.987,-118.281) 500.958,-117.401 ; 500.107,-117.964 cw(c501.456,-117.964) 500.777,-116.798 ; 500.107,-117.61 cw(c500.965,-117.61) 500.937,-116.752 ; 500.107,-109.765 500.107,-107.65 ; 500.107,-108.738 cw(c501.282,-108.738) 500.451,-107.907 ; 500.131,-114.459 v1(500.131,-112.04) 500.131,-111.202 ; v1(500.143,-105.556) 500.143,-103.658 ; v1@500.607,309.519 500.607,310.611 ; v1@500.607,309.868 ccw(c501.364,309.868) v1@500.829,309.333 ; 500.607,312.142 cw(c500.607,311.116) 501.333,311.842